# KiCad board Warp-SE.kicad_pcb
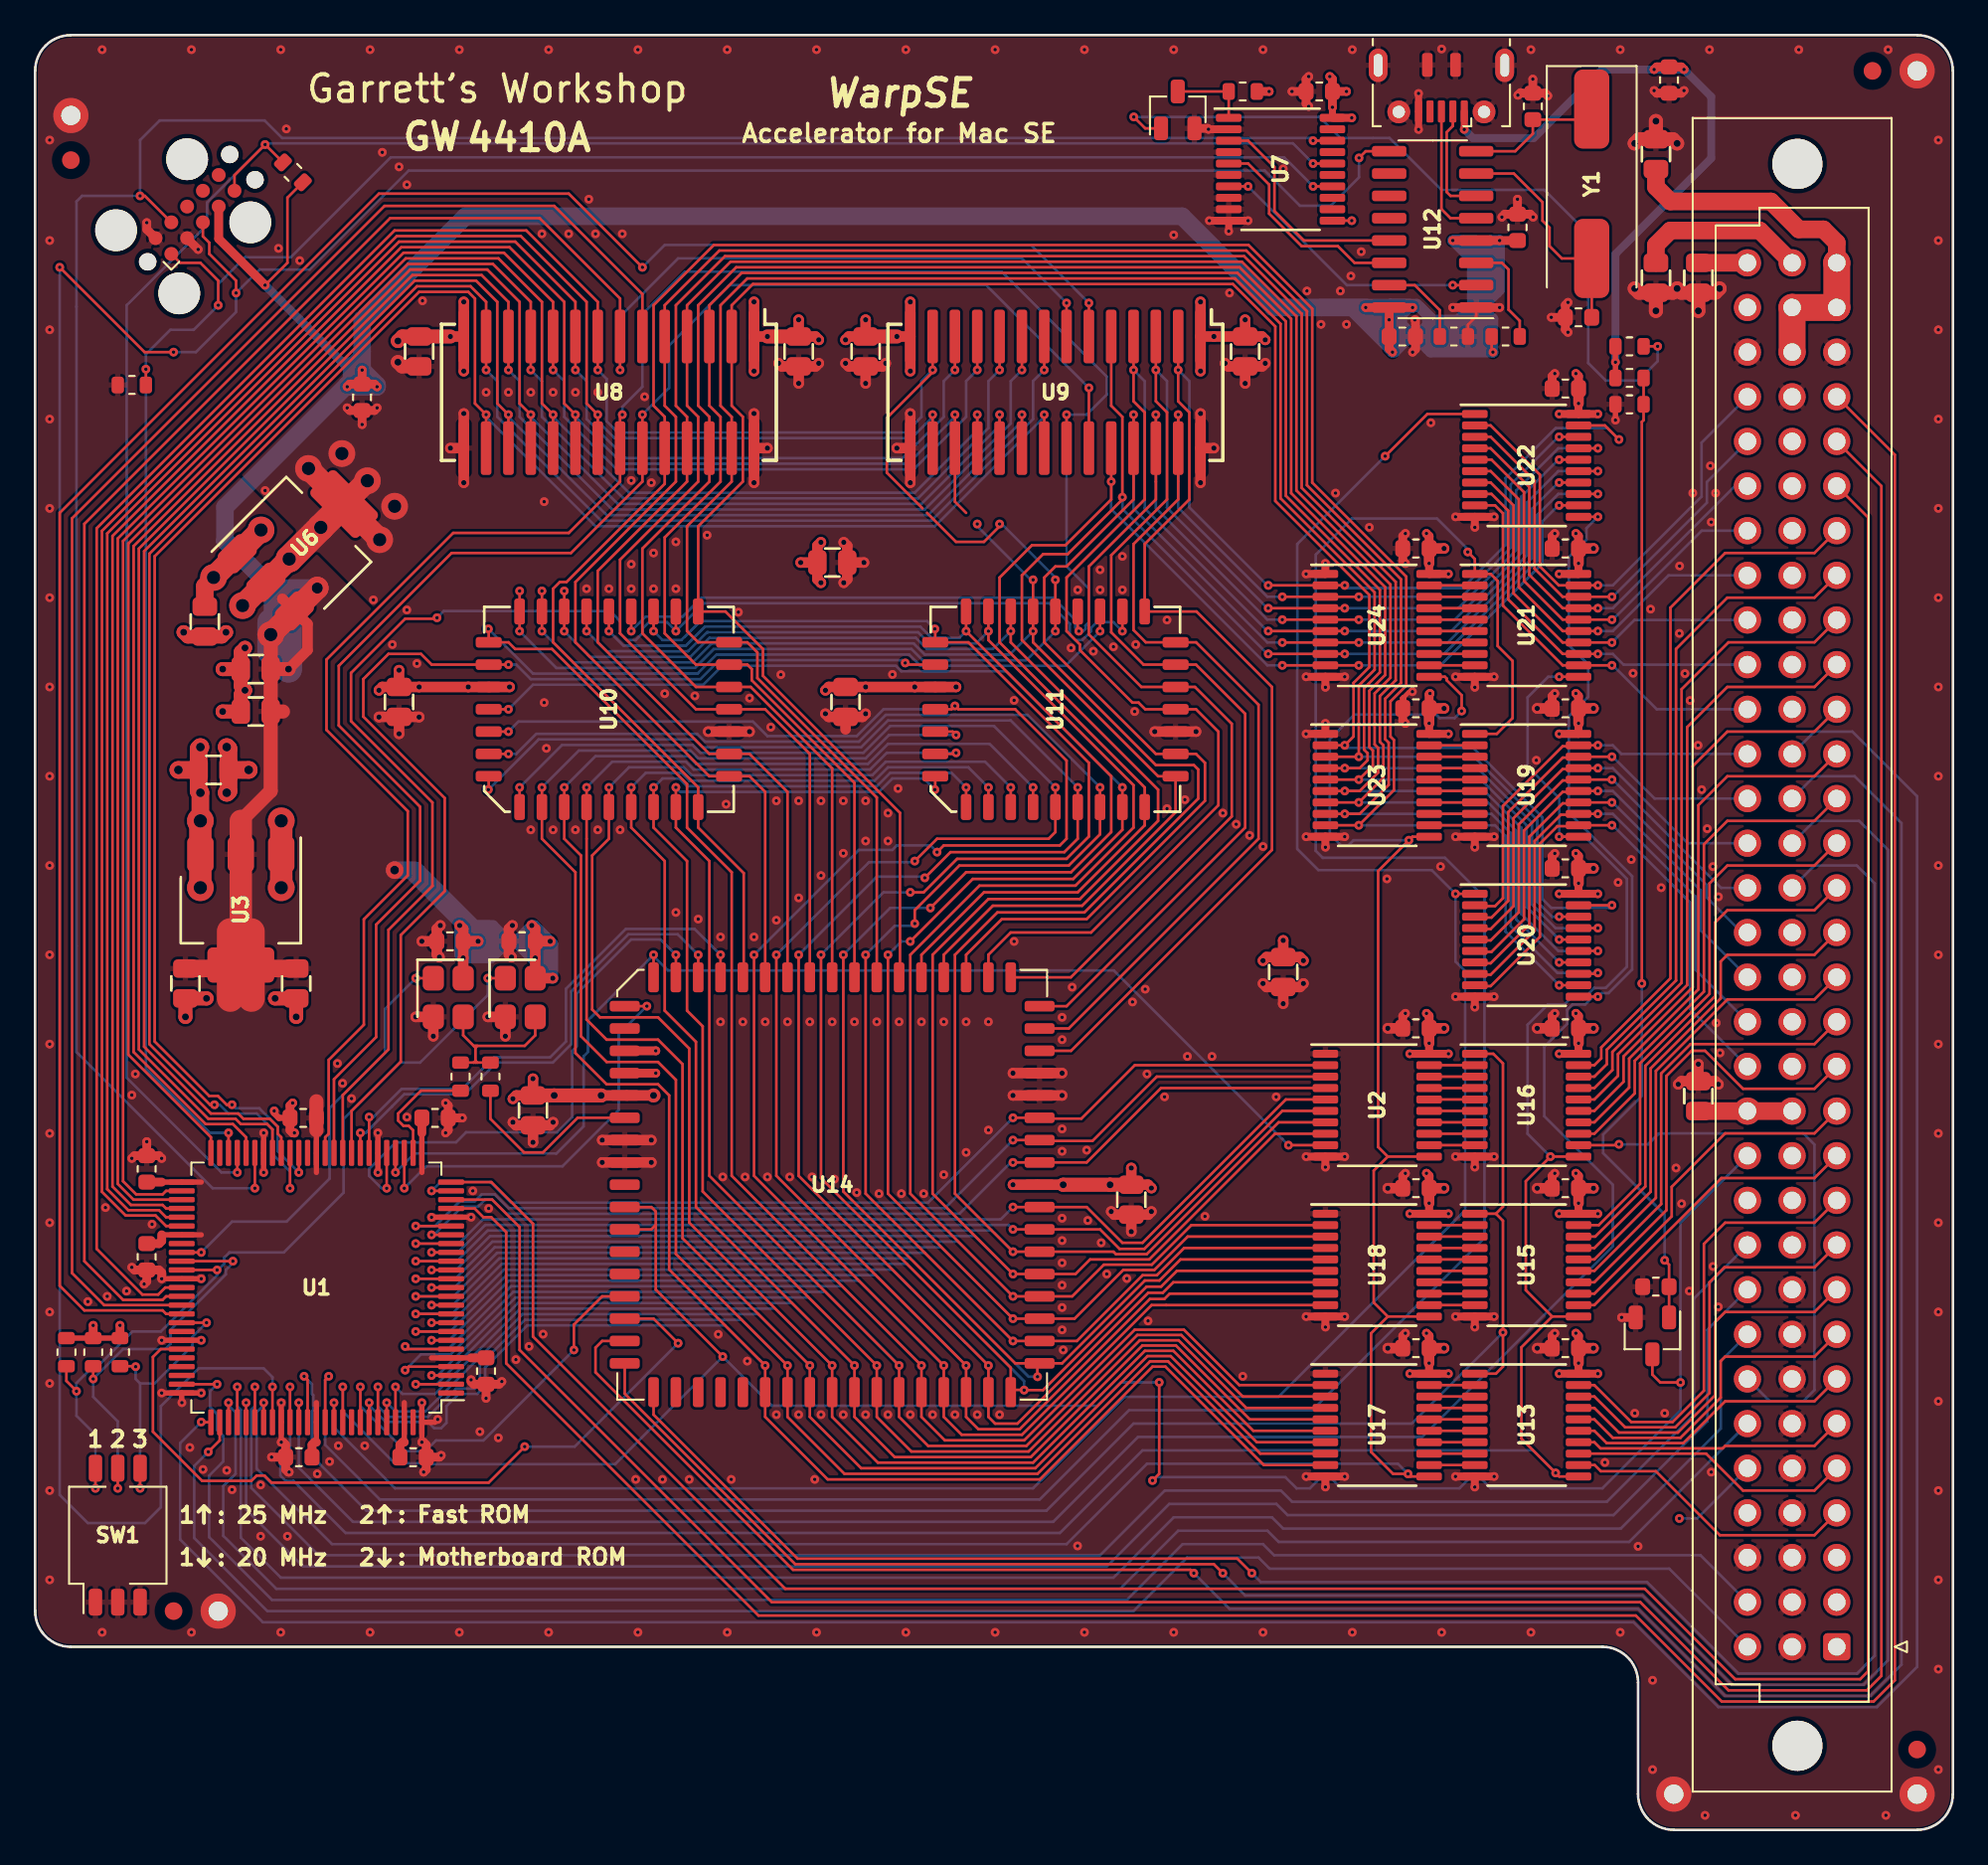
[diagram p0: board, top side]
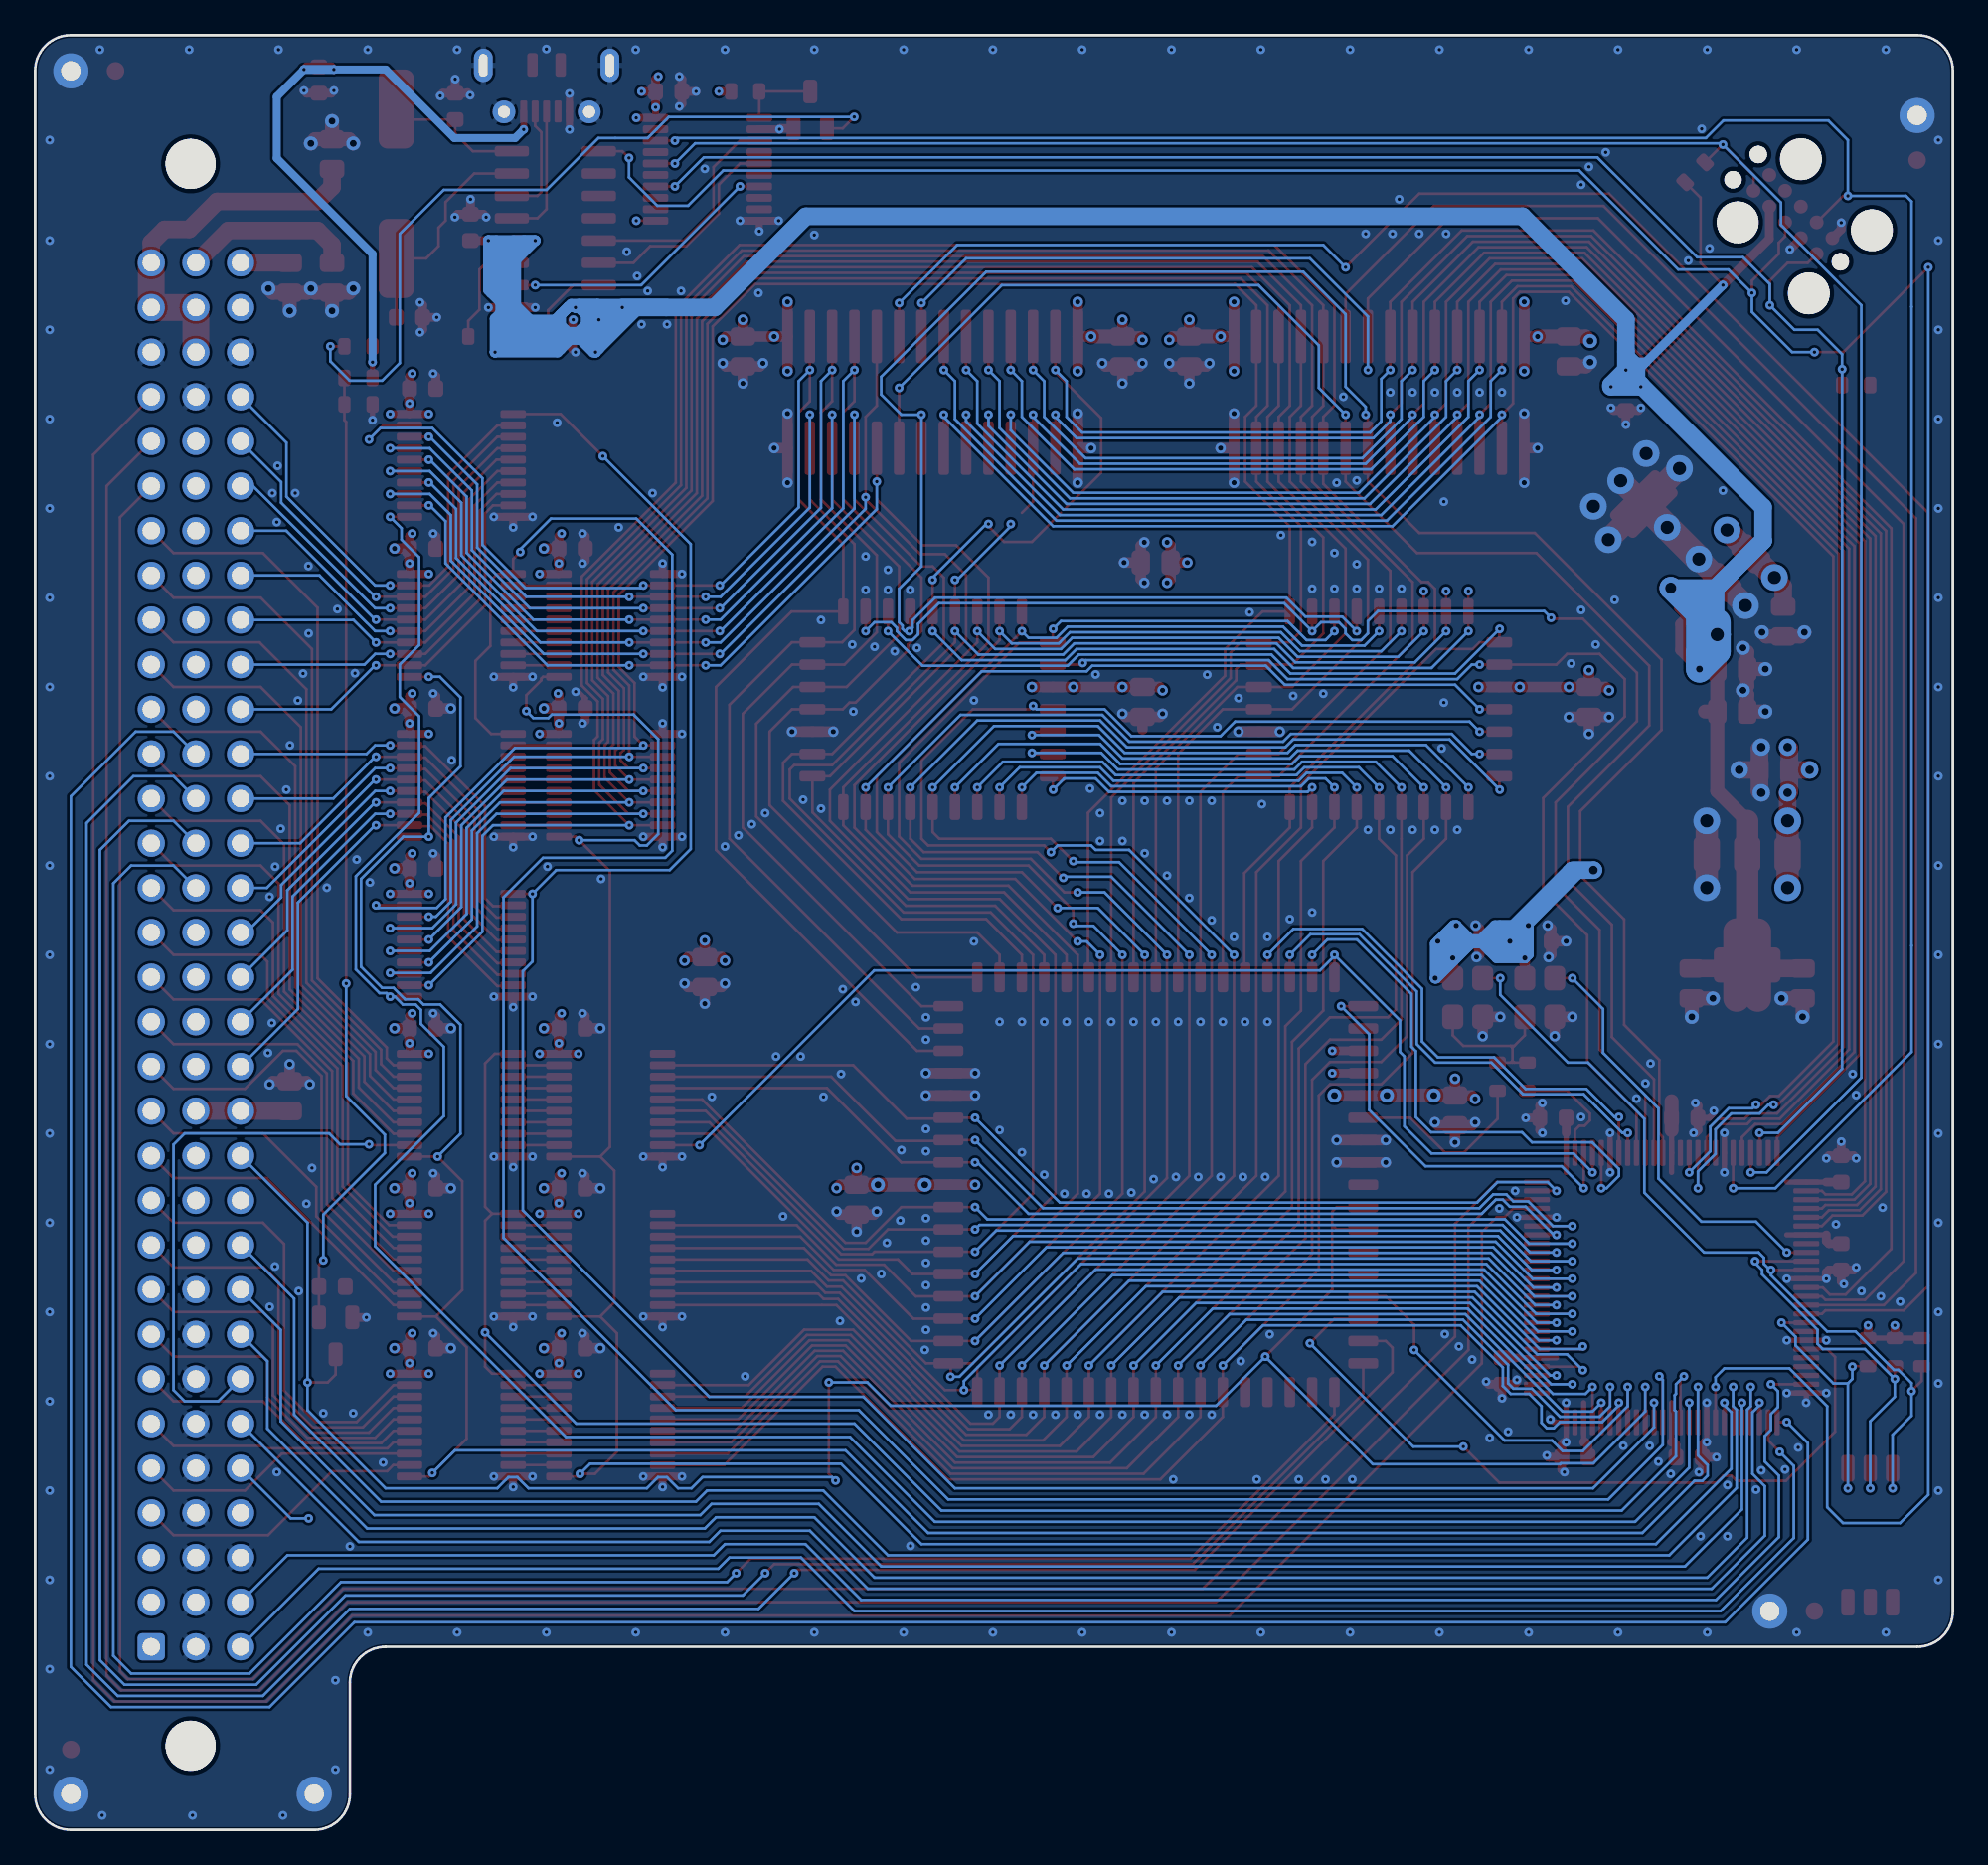
[diagram p1: board, bottom side, seen from below]

Outline 109.09 x 102.11 mm; copper layers: Top, In1.Cu (plane), In2.Cu (plane), Bottom. Coordinates in mm from the lower left corner of the outline.
Outline path: 0,100.08 arc(0.6,101.51) 2.03,102.11 107.06,102.11 arc(108.5,101.51) 109.09,100.08 109.09,2.03 arc(108.5,0.6) 107.06,0 93.22,0 arc(91.78,0.6) 91.19,2.03 91.19,8.38 arc(90.59,9.82) 89.15,10.41 2.03,10.41 arc(0.6,11.01) 0,12.45 0,100.08

## Placement (name value [footprint] x y rotation side)
C1  10u  [C_0805]  28.32 40.93 270 top
C2  10u  [C_0805]  62.36 35.85 270 top
C3  10u  [C_0805]  10.15 60.3 0 top
C4  10u  [C_0805]  9.65 68.75 270 top
C5  2u2  [C_0603]  23.6 50.55 180 top
C6  2u2  [C_0603]  27.7 50.55 180 top
C7  10u  [C_0805]  8.55 48.15 270 top
C8  10u  [C_0805]  14.85 48.15 270 top
C9  10u  [C_0805]  12.55 63.63 180 top
C10  10u  [C_0805]  12.55 66.04 180 top
C11  2u2  [C_0603]  18.6 81.5 270 top
C12  10u  [C_0805]  21.84 84.11 270 top
C13  10u  [C_0805]  43.43 84.11 270 top
C14  10u  [C_0805]  47.24 84.11 270 top
C15  10u  [C_0805]  68.83 84.11 270 top
C16  10u  [C_0805]  20.7 64.17 270 top
C17  10u  [C_0805]  46.1 64.17 270 top
C18  10u  [C_0805]  94.62 41.74 90 top
C19  10u  [C_0805]  71 48.8 270 top
C20  10u  [C_0805]  92.2 88.3 270 top
C21  2u2  [C_0603]  77.78 84.96 0 top
C22  10u  [C_0805]  92.2 95.34 90 top
C23  2u2  [C_0603]  84.33 91.17 90 top
C24  10u  [C_0805]  94.62 88.3 270 top
C25  2u2  [C_0603]  92.95 99.55 270 top
C26  2u2  [C_0603]  15.25 40.5 180 top
C27  2u2  [C_0603]  22.75 40.5 0 top
C28  2u2  [C_0603]  25.65 26.1 270 top
C29  2u2  [C_0603]  21.5 21.2 0 top
C30  2u2  [C_0603]  15 21.2 180 top
C31  2u2  [C_0603]  6.35 32.6 270 top
C32  2u2  [C_0603]  6.35 37.6 90 top
C33  2u2  [C_0603]  87.05 82 180 top
C34  2u2  [C_0603]  78.55 72.9 180 top
C35  2u2  [C_0603]  87.05 72.9 180 top
C36  2u2  [C_0603]  78.55 63.8 180 top
C37  2u2  [C_0603]  87.05 63.8 180 top
C38  2u2  [C_0603]  87.05 54.7 180 top
C39  2u2  [C_0603]  78.55 45.6 180 top
C40  2u2  [C_0603]  87.05 45.6 180 top
C41  2u2  [C_0603]  78.55 36.5 180 top
C42  2u2  [C_0603]  87.05 36.5 180 top
C43  2u2  [C_0603]  78.55 27.4 180 top
C44  2u2  [C_0603]  87.05 27.4 180 top
C45  10u  [C_0805]  45.35 72.1 0 top
C46  22p  [C_0603]  85.2 98.05 90 top
C47  22p  [C_0603]  87.8 86.05 180 top
C48  22p  [C_0603]  92.2 30.9 180 top
C49  2u2  [C_0603]  73.05 98.9 180 top
FID1  -  [Fiducial]  2.03 95 0 top
FID2  -  [Fiducial]  104.52 100.08 0 top
FID3  -  [Fiducial]  107.06 4.57 0 top
FID4  -  [Fiducial]  7.87 12.45 0 top
H1  -  [PasteHole_1.1mm_PTH]  2.03 97.54 0 top
H2  -  [PasteHole_1.1mm_PTH]  107.06 100.08 0 top
H3  -  [PasteHole_1.1mm_PTH]  107.06 2.03 0 top
H4  -  [PasteHole_1.1mm_PTH]  93.22 2.03 0 top
H5  -  [PasteHole_1.1mm_PTH]  10.41 12.45 0 top
J1  MacSEPDS  [DIN41612_R_3x32_Male_Vertical_THT]  102.49 10.41 180 top
J2  JTAG  [Tag-Connect_TC2050-IDC-FP_2x05_P1.27mm_Vertical]  9.09 91.91 45 top
J3  microUSB  [USB_Micro-B_ShouHan_MicroXNJ]  80 99.54 90 top
Q1  MMBT3904  [SOT-23]  65 97.85 270 top
Q2  MMBT3904  [SOT-23]  92 28.1 90 top
R1  47  [R_0603]  25.9 42.85 270 top
R2  47  [R_0603]  24.2 42.85 270 top
R3  10k  [R_0603]  3.3 27.18 270 top
R4  10k  [R_0603]  4.83 27.18 270 top
R5  10k  [R_0603]  80.71 84.96 0 top
R6  10k  [R_0603]  1.78 27.18 270 top
R7  10k  [R_0603]  90.7 84.4 180 top
R8  10k  [R_0603]  68.7 98.9 180 top
R9  10k  [R_0603]  83.66 84.96 0 top
R10  10k  [R_0603]  90.7 81.1 180 top
R11  10k  [R_0603]  90.7 82.6 180 top
R15  10k  [R_0603]  14.66 94.3 135 top
R16  10k  [R_0603]  5.5 82.2 180 top
SW1  OSCSEL  [SW_DIP_SPSTx03_Slide_DSHP03TS_P1.27mm]  4.7 16.76 0 top
U1  XC95144XL-TQ100  [TQFP-100_14x14mm_P0.5mm]  16 30.85 90 top
U2  74AHCT573PW  [TSSOP-20_4.4x6.5mm_P0.65mm]  76.35 41.23 270 top
U3  AZ1117EH-3.3  [SOT-223]  11.7 52.35 90 top
U4  20M  [Crystal_SMD_3225-4Pin_3.2x2.5mm]  27.6 47.35 270 top
U5  25M  [Crystal_SMD_3225-4Pin_3.2x2.5mm]  23.5 47.35 270 top
U6  DNP-AZ1117CH2-3.3  [SOT-223]  15.35 73.2 225 top
U7  74AHCT573PW  [TSSOP-20_4.4x6.5mm_P0.65mm]  70.85 94.48 270 top
U8  KM48C2100  [SOJ-28_300mil]  32.64 81.79 270 top
U9  KM48C2100  [SOJ-28_300mil]  58.04 81.79 270 top
U10  39SF040  [PLCC-32]  32.64 63.75 90 top
U11  39SF040  [PLCC-32]  58.04 63.75 90 top
U12  CH340G  [SOIC-16_3.9mm]  79.5 91.06 90 top
U13  74AHCT573PW  [TSSOP-20_4.4x6.5mm_P0.65mm]  84.85 23.03 270 top
U14  MC68HC000FN20  [PLCC-68]  45.34 36.7 0 top
U15  74AHCT573PW  [TSSOP-20_4.4x6.5mm_P0.65mm]  84.85 32.13 270 top
U16  74AHCT573PW  [TSSOP-20_4.4x6.5mm_P0.65mm]  84.85 41.23 270 top
U17  74AHCT573PW  [TSSOP-20_4.4x6.5mm_P0.65mm]  76.35 23.03 270 top
U18  74AHCT573PW  [TSSOP-20_4.4x6.5mm_P0.65mm]  76.35 32.13 270 top
U19  74AHCT573PW  [TSSOP-20_4.4x6.5mm_P0.65mm]  84.85 59.43 270 top
U20  74AHCT573PW  [TSSOP-20_4.4x6.5mm_P0.65mm]  84.85 50.33 270 top
U21  74AHCT573PW  [TSSOP-20_4.4x6.5mm_P0.65mm]  84.85 68.53 270 top
U22  74AHCT573PW  [TSSOP-20_4.4x6.5mm_P0.65mm]  84.85 77.63 270 top
U23  74AHCT573PW  [TSSOP-20_4.4x6.5mm_P0.65mm]  76.35 59.43 270 top
U24  74AHCT573PW  [TSSOP-20_4.4x6.5mm_P0.65mm]  76.35 68.53 270 top
Y1  12M  [Crystal_HC49-SMD]  88.55 93.65 270 top

## Library data of the parts
C1-C4 C7-C10 C12-C20 C22 C24 C45 = -: LCSC Part: C15850
C5 C6 C11 C21 C23 C25-C44 C49 = -: LCSC Part: C23630
C46-C48 = -: LCSC Part: C1653
J3 = -: LCSC Part: C404969
Q1 Q2 = -: LCSC Part: C20526
R1 R2 = -: LCSC Part: C23182
R3-R11 R15 R16 = -: LCSC Part: C25804
SW1 = -: LCSC Part: C319051
U1 = -: LCSC Part: C45126
U2 U7 U13 U15-U24 = -: LCSC Part: C141311
U3 = -: LCSC Part: C108494
U4 = -: LCSC Part: C32529
U5 = -: LCSC Part: C32526
U10 U11 = -: LCSC Part: C72257
U12 = -: LCSC Part: C14267
Y1 = -: LCSC Part: C111117

## Footprints (pads in the part's own frame, mm; a bottom-side part is the same pattern mirrored in y, then rotated)
C_0603
  rrect 0.85x0.95 smd: 1(-0.75,0) 2(0.75,0)
C_0805
  rrect 1.05x1.4 smd: 1(-0.85,0) 2(0.85,0)
Crystal_HC49-SMD
  rrect 4.5x2 smd: 1(-4.25,0) 2(4.25,0)
Crystal_SMD_3225-4Pin_3.2x2.5mm
  rrect 1.4x1.2 smd: 1(-1.1,-0.85) 2(1.1,-0.85) 3(1.1,0.85) 4(-1.1,0.85)
DIN41612_R_3x32_Male_Vertical_THT
  round 2.85 hole 2.85 unplated: (2.24,5.63) (2.24,-84.37)
  rrect 1.55x1.55 hole 1: A1(0,0)
  round 1.55 hole 1: A2(0,-2.54) A3(0,-5.08) A4(0,-7.62) A5(0,-10.16) A6(0,-12.7) A7(0,-15.24) A8(0,-17.78) A9(0,-20.32) A10(0,-22.86) A11(0,-25.4) A12(0,-27.94) A13(0,-30.48) A14(0,-33.02) A15(0,-35.56) A16(0,-38.1) A17(0,-40.64) A18(0,-43.18) A19(0,-45.72) A20(0,-48.26) A21(0,-50.8) A22(0,-53.34) A23(0,-55.88) A24(0,-58.42) A25(0,-60.96) A26(0,-63.5) A27(0,-66.04) A28(0,-68.58) A29(0,-71.12) A30(0,-73.66) A31(0,-76.2) A32(0,-78.74) B1(2.54,0) B2(2.54,-2.54) B3(2.54,-5.08) B4(2.54,-7.62) B5(2.54,-10.16) B6(2.54,-12.7) B7(2.54,-15.24) B8(2.54,-17.78) B9(2.54,-20.32) B10(2.54,-22.86) B11(2.54,-25.4) B12(2.54,-27.94) B13(2.54,-30.48) B14(2.54,-33.02) B15(2.54,-35.56) B16(2.54,-38.1) B17(2.54,-40.64) B18(2.54,-43.18) B19(2.54,-45.72) B20(2.54,-48.26) B21(2.54,-50.8) B22(2.54,-53.34) B23(2.54,-55.88) B24(2.54,-58.42) B25(2.54,-60.96) B26(2.54,-63.5) B27(2.54,-66.04) B28(2.54,-68.58) B29(2.54,-71.12) B30(2.54,-73.66) B31(2.54,-76.2) B32(2.54,-78.74) C1(5.08,0) C2(5.08,-2.54) C3(5.08,-5.08) C4(5.08,-7.62) C5(5.08,-10.16) C6(5.08,-12.7) C7(5.08,-15.24) C8(5.08,-17.78) C9(5.08,-20.32) C10(5.08,-22.86) C11(5.08,-25.4) C12(5.08,-27.94) C13(5.08,-30.48) C14(5.08,-33.02) C15(5.08,-35.56) C16(5.08,-38.1) C17(5.08,-40.64) C18(5.08,-43.18) C19(5.08,-45.72) C20(5.08,-48.26) C21(5.08,-50.8) C22(5.08,-53.34) C23(5.08,-55.88) C24(5.08,-58.42) C25(5.08,-60.96) C26(5.08,-63.5) C27(5.08,-66.04) C28(5.08,-68.58) C29(5.08,-71.12) C30(5.08,-73.66) C31(5.08,-76.2) C32(5.08,-78.74)
Fiducial
  round 1 smd: ~(0,0)
PasteHole_1.1mm_PTH
  round 2 hole 1.1: 1(0,0)
PLCC-32
  rrect 0.6x1.475 smd: 1(0,6.838) 2(-1.27,6.838) 3(-2.54,6.838) 4(-3.81,6.838) 14(-3.81,-6.838) 15(-2.54,-6.838) 16(-1.27,-6.838) 17(0,-6.838) 18(1.27,-6.838) 19(2.54,-6.838) 20(3.81,-6.838) 30(3.81,6.838) 31(2.54,6.838) 32(1.27,6.838)
  rrect 1.475x0.6 smd: 5(-5.562,5.08) 6(-5.562,3.81) 7(-5.562,2.54) 8(-5.562,1.27) 9(-5.562,0) 10(-5.562,-1.27) 11(-5.562,-2.54) 12(-5.562,-3.81) 13(-5.562,-5.08) 21(5.562,-5.08) 22(5.562,-3.81) 23(5.562,-2.54) 24(5.562,-1.27) 25(5.562,0) 26(5.562,1.27) 27(5.562,2.54) 28(5.562,3.81) 29(5.562,5.08)
PLCC-68
  rrect 0.6x1.7 smd: 1(0,11.8) 2(-1.27,11.8) 3(-2.54,11.8) 4(-3.81,11.8) 5(-5.08,11.8) 6(-6.35,11.8) 7(-7.62,11.8) 8(-8.89,11.8) 9(-10.16,11.8) 27(-10.16,-11.8) 28(-8.89,-11.8) 29(-7.62,-11.8) 30(-6.35,-11.8) 31(-5.08,-11.8) 32(-3.81,-11.8) 33(-2.54,-11.8) 34(-1.27,-11.8) 35(0,-11.8) 36(1.27,-11.8) 37(2.54,-11.8) 38(3.81,-11.8) 39(5.08,-11.8) 40(6.35,-11.8) 41(7.62,-11.8) 42(8.89,-11.8) 43(10.16,-11.8) 61(10.16,11.8) 62(8.89,11.8) 63(7.62,11.8) 64(6.35,11.8) 65(5.08,11.8) 66(3.81,11.8) 67(2.54,11.8) 68(1.27,11.8)
  rrect 1.7x0.6 smd: 10(-11.8,10.16) 11(-11.8,8.89) 12(-11.8,7.62) 13(-11.8,6.35) 14(-11.8,5.08) 15(-11.8,3.81) 16(-11.8,2.54) 17(-11.8,1.27) 18(-11.8,0) 19(-11.8,-1.27) 20(-11.8,-2.54) 21(-11.8,-3.81) 22(-11.8,-5.08) 23(-11.8,-6.35) 24(-11.8,-7.62) 25(-11.8,-8.89) 26(-11.8,-10.16) 44(11.8,-10.16) 45(11.8,-8.89) 46(11.8,-7.62) 47(11.8,-6.35) 48(11.8,-5.08) 49(11.8,-3.81) 50(11.8,-2.54) 51(11.8,-1.27) 52(11.8,0) 53(11.8,1.27) 54(11.8,2.54) 55(11.8,3.81) 56(11.8,5.08) 57(11.8,6.35) 58(11.8,7.62) 59(11.8,8.89) 60(11.8,10.16)
R_0603
  rrect 0.7x0.95 smd: 1(-0.8,0) 2(0.8,0)
SOIC-16_3.9mm
  rrect 0.6x1.95 smd: 1(-4.445,-2.475) 2(-3.175,-2.475) 3(-1.905,-2.475) 4(-0.635,-2.475) 5(0.635,-2.475) 6(1.905,-2.475) 7(3.175,-2.475) 8(4.445,-2.475) 9(4.445,2.475) 10(3.175,2.475) 11(1.905,2.475) 12(0.635,2.475) 13(-0.635,2.475) 14(-1.905,2.475) 15(-3.175,2.475) 16(-4.445,2.475)
SOJ-28_300mil
  rrect 3.048x0.6 smd: 1(-3.175,8.255) 2(-3.175,6.985) 3(-3.175,5.715) 4(-3.175,4.445) 5(-3.175,3.175) 6(-3.175,1.905) 7(-3.175,0.635) 8(-3.175,-0.635) 9(-3.175,-1.905) 10(-3.175,-3.175) 11(-3.175,-4.445) 12(-3.175,-5.715) 13(-3.175,-6.985) 14(-3.175,-8.255) 15(3.175,-8.255) 16(3.175,-6.985) 17(3.175,-5.715) 18(3.175,-4.445) 19(3.175,-3.175) 20(3.175,-1.905) 21(3.175,-0.635) 22(3.175,0.635) 23(3.175,1.905) 24(3.175,3.175) 25(3.175,4.445) 26(3.175,5.715) 27(3.175,6.985) 28(3.175,8.255)
SOT-23
  rrect 1.35x0.8 smd: 1(1.05,-0.95) 2(1.05,0.95) 3(-1.05,0)
SOT-223
  rrect 2x1.5 smd: 1(3.15,-2.3) 2(3.15,0) 3(3.15,2.3)
  rrect 2x3.8 smd: 2(-3.15,0)
SW_DIP_SPSTx03_Slide_DSHP03TS_P1.27mm
  rrect 0.76x1.524 smd: 1(-1.27,-3.81) 2(0,-3.81) 3(1.27,-3.81) 4(1.27,3.81) 5(0,3.81) 6(-1.27,3.81)
Tag-Connect_TC2050-IDC-FP_2x05_P1.27mm_Vertical
  round 2.375 hole 2.375 unplated: (-3.81,2.54) (-3.81,-2.54) (1.905,2.54) (1.905,-2.54)
  round 0.991 hole 0.991 unplated: (-3.81,0) (3.81,1.016) (3.81,-1.016)
  round 0.787 smd: 1(-2.54,-0.635) 2(-1.27,-0.635) 3(0,-0.635) 4(1.27,-0.635) 5(2.54,-0.635) 6(2.54,0.635) 7(1.27,0.635) 8(0,0.635) 9(-1.27,0.635) 10(-2.54,0.635)
TQFP-100_14x14mm_P0.5mm
  rrect 0.3x1.475 smd: 1(-6,-7.662) 2(-5.5,-7.662) 3(-5,-7.662) 4(-4.5,-7.662) 5(-4,-7.662) 6(-3.5,-7.662) 7(-3,-7.662) 8(-2.5,-7.662) 9(-2,-7.662) 10(-1.5,-7.662) 11(-1,-7.662) 12(-0.5,-7.662) 13(0,-7.662) 14(0.5,-7.662) 15(1,-7.662) 16(1.5,-7.662) 17(2,-7.662) 18(2.5,-7.662) 19(3,-7.662) 20(3.5,-7.662) 21(4,-7.662) 22(4.5,-7.662) 23(5,-7.662) 24(5.5,-7.662) 25(6,-7.662) 51(6,7.662) 52(5.5,7.662) 53(5,7.662) 54(4.5,7.662) 55(4,7.662) 56(3.5,7.662) 57(3,7.662) 58(2.5,7.662) 59(2,7.662) 60(1.5,7.662) 61(1,7.662) 62(0.5,7.662) 63(0,7.662) 64(-0.5,7.662) 65(-1,7.662) 66(-1.5,7.662) 67(-2,7.662) 68(-2.5,7.662) 69(-3,7.662) 70(-3.5,7.662) 71(-4,7.662) 72(-4.5,7.662) 73(-5,7.662) 74(-5.5,7.662) 75(-6,7.662)
  rrect 1.475x0.3 smd: 26(7.662,-6) 27(7.662,-5.5) 28(7.662,-5) 29(7.662,-4.5) 30(7.662,-4) 31(7.662,-3.5) 32(7.662,-3) 33(7.662,-2.5) 34(7.662,-2) 35(7.662,-1.5) 36(7.662,-1) 37(7.662,-0.5) 38(7.662,0) 39(7.662,0.5) 40(7.662,1) 41(7.662,1.5) 42(7.662,2) 43(7.662,2.5) 44(7.662,3) 45(7.662,3.5) 46(7.662,4) 47(7.662,4.5) 48(7.662,5) 49(7.662,5.5) 50(7.662,6) 76(-7.662,6) 77(-7.662,5.5) 78(-7.662,5) 79(-7.662,4.5) 80(-7.662,4) 81(-7.662,3.5) 82(-7.662,3) 83(-7.662,2.5) 84(-7.662,2) 85(-7.662,1.5) 86(-7.662,1) 87(-7.662,0.5) 88(-7.662,0) 89(-7.662,-0.5) 90(-7.662,-1) 91(-7.662,-1.5) 92(-7.662,-2) 93(-7.662,-2.5) 94(-7.662,-3) 95(-7.662,-3.5) 96(-7.662,-4) 97(-7.662,-4.5) 98(-7.662,-5) 99(-7.662,-5.5) 100(-7.662,-6)
TSSOP-20_4.4x6.5mm_P0.65mm
  rrect 0.45x1.45 smd: 1(-2.925,-2.95) 2(-2.275,-2.95) 3(-1.625,-2.95) 4(-0.975,-2.95) 5(-0.325,-2.95) 6(0.325,-2.95) 7(0.975,-2.95) 8(1.625,-2.95) 9(2.275,-2.95) 10(2.925,-2.95) 11(2.925,2.95) 12(2.275,2.95) 13(1.625,2.95) 14(0.975,2.95) 15(0.325,2.95) 16(-0.325,2.95) 17(-0.975,2.95) 18(-1.625,2.95) 19(-2.275,2.95) 20(-2.925,2.95)
USB_Micro-B_ShouHan_MicroXNJ
  rrect 1.25x0.4 smd: 1(-1.775,-1.3) 2(-1.775,-0.65) 3(-1.775,0) 4(-1.775,0.65) 5(-1.775,1.3)
  round 1.3 hole 0.7: 6(-1.8,2.425) 6(-1.8,-2.425)
  oval 1.9x1.07 hole 1.3x0.5: 6(0.85,3.6) 6(0.85,-3.6)
  rrect 1.35x0.6 smd: 6(0.875,0.8) 6(0.875,-0.8)

## Nets
+3V3: C5.1 C6.1 C7.1 C8.1 C9.1 C10.1 C11.1 C21.1 C23.1 C26.1 C27.1 C28.1 C29.1 C30.1 C31.1 C32.1 J2.4 R3.1 R4.1 R6.1 R9.1 R15.1 U1.5 U1.26 U1.38 U1.51 U1.57 U1.88 U1.98 U3.2 U4.4 U5.4 U6.3 U12.4 U12.16
+5V: C1.1 C2.1 C3.1 C4.1 C12.1 C13.1 C14.1 C15.1 C16.1 C17.1 C18.1 C19.1 C33.1 C34.1 C35.1 C36.1 C37.1 C38.1 C39.1 C40.1 C41.1 C42.1 C43.1 C44.1 C45.1 C49.1 J1.B13 J1.B14 J1.B15 J1.B16 J1.B17 J1.C13 R8.1 U2.20 U3.3 U6.1 U7.11 U7.20 U8.1 U8.14 U9.1 U9.14 U10.32 U11.32 U13.20 U14.12 U14.13 U14.14 U14.52 U15.20 U16.20 U17.20 U18.20 U19.20 U20.20 U21.20 U22.20 U23.20 U24.20
+12V: C22.1 J1.A31 J1.A32 J1.B30 J1.B31
-5V: C20.1 J1.B32
-12V: C24.1 J1.C32
GND: C1.2 C2.2 C3.2 C4.2 C5.2 C6.2 C7.2 C8.2 C9.2 C10.2 C11.2 C12.2 C13.2 C14.2 C15.2 C16.2 C17.2 C18.2 C19.2 C20.2 C21.2 C22.2 C23.2 C24.2 C25.2 C26.2 C27.2 C28.2 C29.2 C30.2 C31.2 C32.2 C33.2 C34.2 C35.2 C36.2 C37.2 C38.2 C39.2 C40.2 C41.2 C42.2 C43.2 C44.2 C45.2 C46.2 C47.2 C48.2 C49.2 H1.1 H2.1 H3.1 H4.1 H5.1 J1.A30 J1.B1 J1.B2 J1.B3 J1.B4 J1.B5 J1.B6 J1.B7 J1.B8 J1.B9 J1.B29 J1.C3 J1.C30 J2.2 J2.10 J3.5 J3.6 Q1.2 Q2.2 R5.2 R10.2 R16.2 SW1.1 SW1.2 SW1.3 U1.21 U1.31 U1.44 U1.62 U1.69 U1.75 U1.84 U1.100 U2.1 U2.10 U3.1 U4.2 U5.2 U6.2 U7.2 U7.4 U7.6 U7.8 U7.9 U7.10 U8.15 U8.28 U9.15 U9.28 U10.16 U11.16 U12.1 U13.10 U14.16 U14.17 U14.56 U14.57 U15.10 U16.10 U17.1 U17.10 U18.1 U18.10 U19.10 U20.10 U21.10 U22.10 U23.1 U23.10 U24.1 U24.10
/Buf/AccA1: U1.94 U10.6 U11.2 U14.32 U17.9
/Buf/AccA2: U1.95 U10.7 U11.8 U14.33 U17.8
/Buf/AccA3: U1.96 U10.8 U11.3 U14.34 U17.7
/Buf/AccA4: U1.97 U10.9 U11.7 U14.35 U17.6
/Buf/AccA5: U1.2 U10.10 U11.6 U14.36 U17.5
/Buf/AccA6: U1.3 U10.11 U11.5 U14.37 U17.4
/Buf/AccA7: U1.4 U10.12 U11.4 U14.38 U17.3
/Buf/AccA8: U1.6 U10.30 U11.23 U14.39 U17.2
/Buf/AccA9: U1.7 U10.2 U11.1 U14.40 U18.9
/Buf/AccA10: U1.8 U10.5 U11.9 U14.41 U18.8
/Buf/AccA11: U1.9 U10.4 U11.10 U14.42 U18.7
/Buf/AccA12: U1.10 U10.23 U11.30 U14.43 U18.6
/Buf/AccA13: U1.11 U10.25 U11.29 U14.44 U18.5
/Buf/AccA14: U1.12 U10.3 U11.11 U14.45 U18.4
/Buf/AccA15: U1.13 U10.1 U11.12 U14.46 U18.3
/Buf/AccA16: U1.14 U10.26 U11.28 U14.47 U18.2
/Buf/AccA17: U1.15 U2.8 U10.27 U11.27 U14.48
/Buf/AccA18: U1.16 U2.7 U10.28 U11.26 U14.49
/Buf/AccA19: U1.17 U2.6 U14.50
/Buf/AccA20: U1.18 U2.5 U14.51
/Buf/AccA21: U1.19 U2.4 U14.53
/Buf/AccA22: U1.20 U2.3 U14.54
/Buf/AccA23: U1.24 U2.2 U14.55
/Buf/AccD0: U8.24 U10.13 U14.5 U20.12 U23.9
/Buf/AccD1: U8.5 U10.14 U14.4 U20.13 U23.8
/Buf/AccD2: U8.25 U10.15 U14.3 U20.14 U23.7
/Buf/AccD3: U8.4 U10.17 U14.2 U20.15 U23.6
/Buf/AccD4: U8.26 U10.18 U14.1 U20.16 U23.5
/Buf/AccD5: U8.3 U10.19 U14.68 U20.17 U23.4
/Buf/AccD6: U8.27 U10.20 U14.67 U20.18 U23.3
/Buf/AccD7: U8.2 U10.21 U14.66 U20.19 U23.2
/Buf/AccD8: U9.24 U11.13 U14.65 U22.12 U24.9
/Buf/AccD9: U9.5 U11.14 U14.64 U22.13 U24.8
/Buf/AccD10: U9.25 U11.15 U14.63 U22.14 U24.7
/Buf/AccD11: U9.4 U11.17 U14.62 U22.15 U24.6
/Buf/AccD12: U9.26 U11.18 U14.61 U22.16 U24.5
/Buf/AccD13: U9.3 U11.19 U14.60 U22.17 U24.4
/Buf/AccD14: U9.27 U11.20 U14.59 U22.18 U24.3
/Buf/AccD15: U9.2 U11.21 U14.58 U22.19 U24.2
/Buf/Acc~{R}W: U1.29 U2.9 U14.9
/Buf/ADoutLE0: U1.85 U13.11 U15.11 U16.11 U19.11 U21.11
/Buf/ADoutLE1: U1.82 U2.11 U17.11 U18.11 U23.11 U24.11
/Buf/Aout~{OE}: U1.87 U13.1 U15.1 U16.1
/Buf/DinLE: U1.86 U20.11 U22.11
/Buf/Din~{OE}: U1.90 U20.1 U22.1
/Buf/Dout~{OE}: U1.89 U19.1 U21.1
/Buf/MacA1: J1.A4 U13.12
/Buf/MacA2: J1.A5 U13.13
/Buf/MacA3: J1.A6 U13.14
/Buf/MacA4: J1.A7 U13.15
/Buf/MacA5: J1.A8 U13.16
/Buf/MacA6: J1.A9 U13.17
/Buf/MacA7: J1.A10 U13.18
/Buf/MacA8: J1.A11 U13.19
/Buf/MacA9: J1.A12 U15.12
/Buf/MacA10: J1.A13 U15.13
/Buf/MacA11: J1.A14 U15.14
/Buf/MacA12: J1.A15 U15.15
/Buf/MacA13: J1.A16 U15.16
/Buf/MacA14: J1.A17 U15.17
/Buf/MacA15: J1.A18 U15.18
/Buf/MacA16: J1.A19 U15.19
/Buf/MacA17: J1.A20 U16.13
/Buf/MacA18: J1.A21 U16.14
/Buf/MacA19: J1.A22 U16.15
/Buf/MacA20: J1.A23 U16.16
/Buf/MacA21: J1.A24 U16.17
/Buf/MacA22: J1.A25 U16.18
/Buf/MacA23: J1.A26 U16.19
/Buf/MacD0: J1.C14 U19.12 U20.9
/Buf/MacD1: J1.C15 U19.13 U20.8
/Buf/MacD2: J1.C16 U19.14 U20.7
/Buf/MacD3: J1.C17 U19.15 U20.6
/Buf/MacD4: J1.C18 U19.16 U20.5
/Buf/MacD5: J1.C19 U19.17 U20.4
/Buf/MacD6: J1.C20 U19.18 U20.3
/Buf/MacD7: J1.C21 U19.19 U20.2
/Buf/MacD8: J1.C22 U21.12 U22.9
/Buf/MacD9: J1.C23 U21.13 U22.8
/Buf/MacD10: J1.C24 U21.14 U22.7
/Buf/MacD11: J1.C25 U21.15 U22.6
/Buf/MacD12: J1.C26 U21.16 U22.5
/Buf/MacD13: J1.C27 U21.17 U22.4
/Buf/MacD14: J1.C28 U21.18 U22.3
/Buf/MacD15: J1.C29 U21.19 U22.2
/Buf/Mac~{R}W: J1.C7 U16.12
/Clk.sch/CK20EN: R6.2 SW1.6 U1.61 U4.1
/Clk.sch/CK25EN: U1.59 U5.1
/Clk.sch/MCLK: R1.2 U14.15
/Clk.sch/RCLK: R2.2 U1.27
/Control/Acc~{AS}: U1.32 U14.6
/Control/Acc~{BERR}: U1.70 U14.24
/Control/Acc~{DTACK}: U1.28 U14.10
/Control/Acc~{LDS}: U1.30 U14.8
/Control/Acc~{UDS}: U1.33 U14.7
/Control/Acc~{VPA}: U1.93 U14.23
/Control/C8M: J1.A28 U1.23
/Control/C16M: J1.A29 U1.22
/Control/L~{WE}: U1.65 U8.6
/Control/MacE: J1.A27 U1.25
/Control/Mac~{AS}: J1.C10 U1.81
/Control/Mac~{BERR}: J1.B21 U1.76
/Control/Mac~{DTACK}: J1.C6 U1.78
/Control/Mac~{LDS}: J1.C8 U1.79
/Control/Mac~{UDS}: J1.C9 U1.80
/Control/Mac~{VMA}: J1.C2 U1.74
/Control/Mac~{VPA}: J1.C1 U1.77
/Control/RA0: U1.53 U8.10 U9.11
/Control/RA1: U1.50 U8.11 U9.10
/Control/RA2: U1.43 U8.12 U9.9
/Control/RA3: U1.41 U8.13 U9.8
/Control/RA4: U1.40 U8.16 U9.21
/Control/RA5: U1.42 U8.17 U9.20
/Control/RA6: U1.46 U8.18 U9.19
/Control/RA7: U1.52 U8.19 U9.18
/Control/RA8: U1.54 U8.20 U9.17
/Control/RA9: U1.56 U8.21 U9.16
/Control/RA10: U1.55 U8.9 U9.12
/Control/RA11: U1.63 U8.8 U9.13
/Control/ROM~{CS}: U1.35 U10.22 U11.22
/Control/ROM~{WE}: U1.34 U10.31 U11.31
/Control/SW0: R4.2 SW1.4 U1.67
/Control/SW1: R3.2 SW1.5 U1.60
/Control/TCK: J2.1 R16.1 U1.48 U7.14